# Allegro board BeagleBone AI -64_PCB_V1.02_211119.brd (continued)
## Routing (per net, layer and track width the routed paths; a pad name or vN(x,y) marks a point on that pad's centre or on a via; arc(x,y) is an arc through that point) (continued)
  TOP w0.165: v1(47.38,51.84) 47.1,52.12 U30.32
  TOP w0.229: U19.J26 -15.49,43.98 v1(-15.49,43.98)
  L3-SIGNAL w0.102: v1(-15.49,43.98) -15.09,43.58 -13.74,43.58 -13.49,43.33 -13.49,43.02 -13.24,42.78 -12.94,42.78 -12.69,43.03 -12.69,43.35 -12.46,43.58 -12.13,43.58 -11.9,43.35 -11.9,42.99 -11.69,42.78 -11.33,42.78 -11.1,42.55 -11.1,42.23 -11.09,42.22 -10.84,41.98 -8.46,41.98 -8.45,41.97 -7.66,41.97 -7.66,41.98 -0.13,41.98 0.11,42.22 0.11,44.95 0.33,45.18 0.66,45.18 0.9,45.42 0.9,49.9 1.71,50.7 1.71,51.43 1.88,51.6 1.95,51.6 1.95,51.59 2.27,51.59 2.28,51.6 2.35,51.6 2.53,51.77 2.53,51.82 2.52,51.82 2.52,52.15 2.75,52.38 3.08,52.38 3.32,52.61 3.32,53.75 3.56,53.99 3.87,53.99 4.1,54.22 4.1,54.54 4.35,54.78 5.47,54.78 5.69,54.99 9.16,54.99 9.56,55.39 9.56,55.93 9.81,56.19 10.17,56.19 10.52,56.54 v1(13.21,56.54)
  L5-SIGNAL w0.102: v1(13.21,56.54) 13.62,56.54 13.72,56.44 14.64,56.44 15.22,57.02 15.83,57.02 16.52,57.71 18.88,57.71 19.28,57.3 30.36,57.3 31.72,58.66 37.2,58.66 37.6,58.27 37.6,57.46 37.9,57.15 43.26,57.15 47.66,52.75 47.66,52.13 v1(47.38,51.84)
  BOTTOM w0.165: R63.2 13.92,58.33 13.14,57.54 13.14,57.04 13.21,56.97 v1(13.21,56.54)
MCU_I2C0_SDA: length 83.7
  TOP w0.165: U30.33 47,52.62 v1(47.02,52.6)
  TOP w0.229: v1(-14.69,43.18) -14.69,43.18 U19.H25
  L3-SIGNAL w0.102: v1(13.62,56.01) 12.58,56.01 11.31,54.74 6.22,54.74 5.47,53.99 4.36,53.99 4.12,53.75 4.12,52.64 3.86,52.38 3.54,52.38 3.3,52.15 3.3,51.82 3.07,51.59 2.75,51.59 2.51,51.36 2.51,50.74 1.71,49.94 1.71,45.41 1.51,45.21 1.49,45.21 1.47,45.19 1.14,45.19 0.91,44.96 0.91,41.42 0.67,41.18 -10.84,41.18 -11.09,41.42 -11.09,41.43 -11.09,41.43 -11.09,41.74 -11.33,41.99 -11.66,41.99 -11.69,42.02 -11.9,42.23 -11.9,42.55 -12.13,42.78 -12.46,42.78 -12.7,42.53 -12.7,42.22 -12.93,41.99 -13.26,41.99 -13.5,42.23 -13.5,42.55 -13.74,42.78 -14.29,42.78 v1(-14.69,43.18)
  L5-SIGNAL w0.102: v1(13.62,56.01) 14.64,56.01 15.42,56.8 16.01,56.8 16.69,57.48 18.78,57.48 19.18,57.08 30.45,57.08 31.81,58.43 37.1,58.43 37.34,58.19 37.34,57.38 37.8,56.92 43.11,56.92 47.02,53.01 v1(47.02,52.6)
  BOTTOM w0.165: v1(13.62,56.01) 13.65,56.03 13.65,57.24 13.92,57.51 R64.2
MCU_I2C1_I3C0_SCL: length 54.3
  TOP w0.165: R200.2 -27.95,41.48 R199.2 -28.16,41.27 -28.16,40.98 -28.26,40.88 -28.26,40.84 v1(-28.29,40.82) ; R245.2 v1(-22.71,39.21)
  L3-SIGNAL w0.102: v1(-22.71,39.21) -23.16,38.76 -26.16,38.76 -26.64,39.24 -26.64,39.93 -27.07,40.36 -27.83,40.36 v1(-28.29,40.82)
  L5-SIGNAL w0.102: v1(-42.11,12.8) -42.11,14.17 -38.68,17.6 -38.68,29.1 -39.14,29.56 -39.14,34.54 -41.78,37.18 -41.78,39.04 -40.43,40.39 -38.45,40.39 -37.15,41.68 -31.67,41.68 -31.13,41.15 -30.35,41.15 -30.19,41.3 -29.28,41.3 -28.8,40.82 v1(-28.29,40.82)
  BOTTOM w0.165: v1(-42.11,12.8) -42.1,12.81 J10.7
MCU_I2C1_I3C0_SDA: length 47.9
  TOP w0.165: v1(-27.04,38.58) -26.84,38.58 -26.8,38.55 R211.2 R210.2 -26.64,39.24 -26.64,39.44 -26.42,39.66 -26.4,39.66 -26.13,39.94 R209.2 ; R194.2 -28.96,43.52 -29.22,43.27 -29.24,43.27 -29.24,43.23 -29.23,43.23 v1(-29.23,43.23)
  L3-SIGNAL w0.102: v1(-29.23,43.23) -29.23,42.83 -28.89,42.48 -28.89,42 -29,41.89 -29,40.57 -27.68,39.24 -27.3,39.24 -27.04,38.99 v1(-27.04,38.58)
  L5-SIGNAL w0.102: v1(-39.19,13.44) -39.59,13.44 -39.95,13.79 -39.95,15.6 -38.22,17.32 -38.22,29.29 -38.68,29.74 -38.68,36.17 -37.87,36.98 -33.34,36.98 -31.9,38.43 -27.2,38.43 v1(-27.04,38.58)
  BOTTOM w0.165: v1(-39.19,13.44) -39.19,13.94 -39.33,14.08 J10.5
MCU_MDIO0_MDC: length 28.9
  TOP w0.165: U15.16 v1(-32.22,27.87)
  TOP w0.229: v1(-13.09,41.58) -12.69,41.98 U19.F23
  L3-SIGNAL w0.102: v1(-15.76,36.23) -15.76,36.64 -15.93,36.81 -15.93,39.25 -15.56,39.62 -15.34,39.62 -15.13,39.83 -15.13,40.05 -14.84,40.34 -14.62,40.34 -14.33,40.63 -14.33,40.85 -14.04,41.14 -13.53,41.14 v1(-13.09,41.58)
  L5-SIGNAL w0.102: v1(-15.76,36.23) -21.47,36.23 -22.17,35.54 -22.17,34.46 -27.42,29.21 -30.88,29.21 v1(-32.22,27.87)
MCU_MDIO0_MDIO: length 32.8
  TOP w0.165: v1(-30.7,26.52) -31.72,27.54 U15.17 ; U19.E23 -12.69,41.18 v1(-13.09,40.78)
  L5-SIGNAL w0.102: v1(-16.76,35.51) -17.13,35.89 -21.34,35.89 -21.91,35.31 -21.91,34.39 -27.32,28.98 -30.42,28.98 -31.16,28.25 -31.16,26.98 v1(-30.7,26.52)
  BOTTOM w0.114: v1(-13.09,40.78) -12.71,40.4 -12.71,37.34
  BOTTOM w0.165: -16.76,34.77 v1(-16.76,35.51) ; -16.76,34.77 R102.1 -16.74,34.73 ; -16.76,34.77 -14.95,34.77 -12.71,37.01 -12.71,37.34
MCU_PORZ_OUT: length 5.4
  TOP w0.165: U19.B28 -17.09,38.38 -17.09,38.38 -17.51,37.97 -18.07,37.97 -18.41,38.31 -18.41,39.12 -18.67,39.38 -20.45,39.38 R261.1
MCU_RESETSTATZ: length 4.1
  TOP w0.229: U19.C27 -15.89,39.58 v1(-16.29,39.18)
  BOTTOM w0.137: v1(-16.29,39.18) -16.29,38.79 -17.16,37.92 -17.32,37.92
  BOTTOM w0.165: -17.32,37.92 -18.43,37.92 v1(-18.89,38.38)
MCU_RESETZ: length 4.5
  TOP w0.229: v1(-17.09,39.98) -17.09,39.98 U19.D28
  BOTTOM w0.114: v1(-17.09,39.98) -17.48,40.37 -17.48,40.91 -17.51,40.93 -17.51,40.94 -18.43,41.87 R111.2
  BOTTOM w0.165: TP4.1 -19.01,42.73 R111.2
MCU_RGMII_INT#: length 19
  TOP w0.165: R181.2 -31.86,36.77 v1(-31.85,36.76) -31.72,36.63 U15.44
  TOP w0.229: U19.D29 -17.49,40.38 v1(-17.89,39.98)
  L3-SIGNAL w0.102: v1(-17.89,39.98) -19.82,38.06 -19.82,36.95 -20.63,36.13 -25.58,36.13 v1(-26.23,36.78)
  BOTTOM w0.165: v1(-26.23,36.78) -26.21,36.78 -26.21,36.81 -26.36,36.81 -26.42,36.87 -30.9,36.87 -31.02,36.76 v1(-31.85,36.76)
MCU_RGMII_RD0: length 18.9
  TOP w0.114: U19.B24 -13.88,38.39 -13.88,37.58
  TOP w0.165: R215.1 v1(-25.12,33.29) ; -13.88,37.58 -13.88,36.39 -15.84,34.42 -18.61,34.42 -19.68,33.35 -19.68,31.98 v1(-20.24,31.42)
  BOTTOM w0.165: v1(-20.24,31.42) -19.78,31.88 -19.78,32.49 -20.14,32.84 -24.67,32.84 v1(-25.12,33.29)
MCU_RGMII_RD1: length 15.8
  TOP w0.165: U19.A24 -13.51,37.96 -13.51,36.17 -16.4,33.28 v1(-16.4,32.79) ; R214.1 v1(-25.13,33.97)
  BOTTOM w0.165: v1(-25.13,33.97) -24.33,33.17 -19.42,33.17 -19.04,32.79 v1(-16.4,32.79)
MCU_RGMII_RD2: length 14.7
  TOP w0.165: R213.1 -25.22,34.75 v1(-25.22,34.75)
  TOP w0.229: U19.D24 -13.89,39.98 v1(-13.89,39.98)
  BOTTOM w0.114: v1(-13.89,39.98) -14.29,39.58 -14.29,38.69 -14.52,38.46
  BOTTOM w0.165: v1(-25.22,34.75) -24.79,34.75 -24.72,34.82 -22.5,34.82 -19.78,37.54 -15.44,37.54 -14.52,38.46
MCU_RGMII_RD3: length 19
  TOP w0.165: v1(-20.26,32.18) -20.26,32.25 -20.09,32.43 -20.09,33.49 -20.03,33.55 -20.03,34.24 -19.52,34.75 -16.07,34.75 -14.29,36.53 U19.A25 ; v1(-25.06,35.51) -25.31,35.51 R212.1
  BOTTOM w0.165: v1(-20.26,32.18) -20.56,32.48 -24.98,32.48 -25.67,33.17 -25.67,34.9 v1(-25.06,35.51)
MCU_RGMII_RST#: length 24.3
  TOP w0.165: U15.43 -31.22,36.67 -31.11,36.79 R182.2 -30.74,37.13 -30.35,37.53 v1(-30.35,38)
  TOP w0.229: v1(-15.49,43.18) -15.09,43.58 U19.H26
  L5-SIGNAL w0.102: v1(-30.82,41.79) -29.15,41.79 -28.54,42.39 -25.95,42.39 -25.69,42.13 -23.19,42.13 -22.6,42.72 -19.91,42.72 -19.09,43.54 -15.85,43.54 v1(-15.49,43.18)
  BOTTOM w0.165: v1(-30.82,41.79) -30.82,41.37 -30.96,41.23 -30.96,38.61 v1(-30.35,38)
MCU_RGMII_RX_CTL: length 14.1
  TOP w0.165: R205.1 v1(-26.87,37.89)
  TOP w0.229: U19.C25 -14.69,39.18 v1(-14.69,39.18)
  L5-SIGNAL w0.102: v1(-14.69,39.18) -15.05,38.82 -17.24,38.82 -17.29,38.86 -20.44,38.86 -22.04,37.26 -25.84,37.26 -26.47,37.89 v1(-26.87,37.89)
MCU_RGMII_RXC: length 15.9
  TOP w0.165: v1(-24.2,34.14) -24.51,33.83 -24.51,33.2 -25.12,32.59 R216.1
  TOP w0.229: U19.C24 -13.89,39.18 v1(-13.89,39.18)
  BOTTOM w0.165: v1(-13.89,39.18) -13.89,38.17 -15.21,36.86 -17.24,36.86 -17.98,36.12 -20.64,36.12 -22.93,33.84 -23.9,33.84 v1(-24.2,34.14)
MCU_RGMII_TD0: length 10.3
  TOP w0.114: U19.B25 -14.7,38.37 -14.7,37.66
  TOP w0.165: -14.7,37.66 -14.7,36.69 -16.31,35.08 -20.06,35.08 -20.49,34.65 R275.1
MCU_RGMII_TD1: length 9.5
  TOP w0.165: U19.A26 -15.09,37.54 -16.66,35.97 -20.46,35.97 -20.89,35.54 -20.89,33.52 -21.17,33.24 R249.1
MCU_RGMII_TD2: length 10.6
  TOP w0.165: U19.A27 -15.89,37.58 -16.29,37.17 -19.19,37.17 -19.31,37.29 -21.3,37.29 -22.23,36.36 -22.23,33.63 -22.62,33.24 R237.1
MCU_RGMII_TD3: length 11.4
  TOP w0.165: R225.1 -24.03,33.24 -22.93,34.35 -22.93,36.63 -21,38.56 -19.65,38.56 -18.79,37.7 -16.97,37.7 U19.A28
MCU_RGMII_TX_CTL: length 12.1
  TOP w0.114: -16.55,37.57 -16.3,37.83 -16.3,38.37 -16.29,38.38
  TOP w0.165: -16.55,37.57 -16.69,37.44 -18.99,37.44 -19.73,38.17 -20.9,38.17 -22.6,36.48 -22.6,33.96 -23.32,33.24 R230.1
  TOP w0.229: U19.B27 -16.29,38.38
MCU_RGMII_TXC: length 10.6
  TOP w0.114: U19.B26 -15.49,38.38 -15.49,37.77
  TOP w0.165: -15.49,37.77 -15.49,37.6 -16.18,36.9 -16.19,36.9 -16.79,36.3 -20.69,36.3 -21.9,35.09 R248.1
MCU_SAFETY_ERRZ: length 82.3
  TOP w0.165: U30.18 v1(40.63,49.02)
  TOP w0.229: v1(-16.29,39.98) -15.89,40.38 U19.D27
  L3-SIGNAL w0.102: v1(37.24,37.59) 37.24,39.3 37.45,39.5 37.45,39.52 39.07,41.15 39.07,42.32 40.32,43.56 40.32,48.71 v1(40.63,49.02) ; v1(-16.38,32.01) -16.81,32.01 -16.83,31.98 -17.14,31.98 -17.37,32.21 -17.37,32.51 -17.35,32.53 -17.35,35.75 -16.66,36.45 -16.66,39.33 -16.29,39.69 v1(-16.29,39.98)
  L5-SIGNAL w0.102: v1(-16.38,32.01) -15.44,32.01 -13.76,30.33 -10.43,30.33 -9.8,30.96 -7.61,30.96 -6.83,30.18 -5.2,30.18 -4.2,31.18 7.85,31.18 7.99,31.04 9.75,31.04 11.12,32.41 16.08,32.41 16.36,32.13 24.02,32.13 v1(24.8,32.92)
  L10-SIGNAL w0.102: v1(24.8,32.92) 25.26,32.46 29.95,32.46 34.58,37.09 36.73,37.09 v1(37.24,37.59)
MMC0_CALPAD_R: length 2.4
  TOP w0.165: U19.AE1 5.1,57.38 R301.1
MMC0_CLK: length 2.6
  TOP w0.165: U19.AF1 6.09,57.98 6.71,58.6 R305.1
MMC0_CMD: length 5.1
  TOP w0.165: v1(7.09,59.59) 7.22,59.46 R304.1
  TOP w0.229: v1(3.71,57.59) 3.71,57.58 U19.AE3
  L3-SIGNAL w0.102: v1(3.71,57.59) 4.11,57.99 5.01,57.99 6.61,59.59 v1(7.09,59.59)
MMC0_DAT0: length 32.3
  TOP w0.165: R325.1 28.78,68.77 29.52,68.02 29.52,65.84 27.87,64.19 v1(27.87,63.88)
  TOP w0.229: U19.AG2 4.51,59.18 v1(4.51,59.19)
  L3-SIGNAL w0.102: v1(4.51,59.19) 5.15,59.83 5.15,60.25 7.52,62.61 8.77,62.61 9.06,62.9 12.56,62.9 13.83,64.17 27.58,64.17 v1(27.87,63.88)
MMC0_DAT1: length 34.1
  TOP w0.165: v1(32.57,65.64) 33.28,65.64 33.51,65.86 R340.1
  TOP w0.229: v1(5.64,60.05) 5.38,60.05 U19.AH1
  L3-SIGNAL w0.102: v1(5.64,60.05) 5.64,60.35 7.04,61.75 8.59,61.75 8.87,62.03 9.36,62.03 9.98,62.64 12.81,62.64 14.08,63.91 20.37,63.91 20.98,63.3 29.11,63.3 29.66,63.84 31.57,63.84 32.07,63.34 32.49,63.34 32.9,63.75 32.9,64.82 32.57,65.15 v1(32.57,65.64)
MMC0_DAT2: length 33.8
  TOP w0.165: v1(32.52,63.91) 33.1,63.91 33.51,64.31 R342.1
  TOP w0.229: v1(3.71,59.19) 3.71,59.18 U19.AG3
  L3-SIGNAL w0.102: v1(32.52,63.91) 31.71,64.71 31.07,64.71 31.03,64.68 9.13,64.68 8.54,64.09 7.75,64.09 7.47,63.81 7.47,63.45 5.01,60.99 5.01,60.76 4.68,60.43 4.44,60.43 4.15,60.14 4.15,59.63 v1(3.71,59.19)
MMC0_DAT3: length 31.1
  TOP w0.165: v1(26.12,65.38) 26.12,66.5 26.31,66.68 R321.1
  TOP w0.229: U19.AF4 2.91,58.38 v1(2.91,58.39)
  L3-SIGNAL w0.102: v1(26.12,65.38) 25.71,65.38 25.26,64.93 7.63,64.93 7.19,64.49 7.19,63.58 6.25,62.64 5.27,62.64 4.87,62.24 4.87,62.09 5.12,61.85 5.12,61.7 4.97,61.56 4.83,61.56 4.58,61.81 4.44,61.81 4.07,61.44 4.07,60.63 3.79,60.35 3.56,60.35 3.31,60.1 3.31,58.78 v1(2.91,58.39)
MMC0_DAT4: length 36.8
  TOP w0.165: v1(25,65.38) 25,66.88 26.89,68.77 R323.1
  TOP w0.229: U19.AE5 2.11,57.58 v1(2.11,57.59)
  L3-SIGNAL w0.102: v1(2.11,57.59) 1.75,57.95 1.75,60.14 2.04,60.43 2.26,60.43 2.55,60.72 2.55,60.94 2.88,61.27 3.19,61.27 4.6,62.67 4.6,65.07 6.23,66.7 11.61,66.7 12.9,65.41 21.61,65.41 21.95,65.75 24.63,65.75 v1(25,65.38)
MMC0_DAT5: length 35.5
  TOP w0.165: v1(28.85,63.87) 29.16,64.17 29.16,64.43 30.77,66.04 30.77,67.97 29.97,68.77 R327.1
  TOP w0.229: U19.AF3 3.71,58.38 v1(3.71,58.39)
  L3-SIGNAL w0.102: v1(28.85,63.87) 28.29,64.42 10.05,64.42 9.76,64.14 9.76,63.4 9.53,63.17 8.95,63.17 8.76,62.98 7.46,62.98 5.39,60.91 5.39,60.81 4.95,60.37 4.95,59.91 4.66,59.63 4.44,59.63 4.15,59.33 4.15,58.82 v1(3.71,58.39)
MMC0_DAT6: length 34
  TOP w0.165: v1(33.36,64.85) 33.51,65 R341.1
  TOP w0.229: v1(5.31,59.19) 5.31,59.18 U19.AG1
  L3-SIGNAL w0.102: v1(5.31,59.19) 5.57,59.45 5.81,59.45 6.03,59.67 6.03,60.37 6.87,61.22 9.49,61.22 9.75,61.47 10.62,61.47 11.11,60.99 12.71,60.99 13.51,61.79 13.51,62.93 14.23,63.65 19.72,63.65 20.38,62.99 32.52,62.99 33.36,63.83 v1(33.36,64.85)
MMC0_DAT7: length 32.1
  TOP w0.165: v1(32.16,62.61) 32.68,62.61 33.51,63.44 R343.1
  TOP w0.229: U19.AF2 4.51,58.38 v1(4.51,58.39)
  L3-SIGNAL w0.102: v1(32.16,62.61) 32.09,62.61 32.02,62.68 14.85,62.68 12.88,60.71 9.21,60.71 8.89,60.39 6.81,60.39 6.78,60.43 6.52,60.43 6.29,60.2 6.29,59.63 5.05,58.39 v1(4.51,58.39)
MMC0_DS: length 29
  TOP w0.229: U19.AE4 2.91,57.58 v1(2.91,57.59)
  L3-SIGNAL w0.102: v1(2.91,57.59) 2.55,57.95 2.55,60.14 2.84,60.43 3.06,60.43 3.35,60.72 3.35,61.08 5.21,62.94 5.99,62.94 6.86,63.82 6.86,64.64 7.41,65.19 21.71,65.19 21.88,65.36 v1(22.28,65.36)
  BOTTOM w0.165: R41.2 R40.1 22.59,63.91 22.28,64.21 v1(22.28,65.36)
MMC1_CLK: length 16
  TOP w0.229: U19.P25 -14.29,48.38 v1(-14.69,47.98)
  L12-SIGNAL w0.102: v1(-14.69,47.98) -15.09,47.59 -18.27,47.59 v1(-18.66,47.19)
  BOTTOM w0.165: v1(-18.66,47.19) -18.66,47.32 -18.97,47.63 -19.55,47.63 -19.7,47.78 -19.7,48.19 -19.55,48.34 -18.59,48.34 -18.41,48.52 -18.41,48.92 -18.61,49.13 -19.22,49.13 -19.46,49.36 -19.46,50.4 -19.6,50.55 -19.96,50.55 -20.11,50.4 -20.11,49.91 -20.49,49.53 -21.1,49.53 -21.28,49.35 -21.28,49.02 -21.1,48.85 -20.74,48.85 -20.57,48.68 R122.1
MMC1_CMD: length 39.5
  TOP w0.165: v1(-27.83,57.22) -27.86,57.22 -27.86,57.28 ; J12.3 -31.28,57.62 -30.94,57.96 -29.97,57.96 D27.2 -29.46,57.61 -29,57.15 -28.8,57.15 -28.04,57.15 -27.91,57.28 -27.86,57.28 ; -27.86,57.28 -27.86,57.38 -27.88,57.4 R203.2 -27.88,57.73
  TOP w0.229: U19.R29 -17.49,49.19 v1(-17.89,48.79)
  L12-SIGNAL w0.102: v1(-27.83,57.22) -28.4,57.22 -29.1,56.52 -29.1,55.7 -29.69,55.12 -31.52,55.12 -32.13,54.51 -32.13,54.36 -31.7,53.94 -31.7,53.79 -31.84,53.65 -31.99,53.65 -32.42,54.08 -32.56,54.08 -32.89,53.75 -32.89,52.77 -32.79,52.67 -32.48,52.67 -32.38,52.57 -32.38,52.36 -32.48,52.26 -32.79,52.26 -32.89,52.16 -32.89,51.96 -32.79,51.86 -32.48,51.86 -32.38,51.75 -32.38,51.55 -32.48,51.45 -32.79,51.45 -32.89,51.35 -32.89,51.14 -32.79,51.04 -32.48,51.04 -32.38,50.94 -32.38,50.74 -32.48,50.64 -32.79,50.64 -32.89,50.54 -32.89,50.33 -32.79,50.23 -32.48,50.23 -32.38,50.13 -32.38,49.93 -32.48,49.82 -32.79,49.82 -32.89,49.72 -32.89,49.38 -31.92,48.41 -28.8,48.41 -27.95,47.57 -27.95,46.79 -27.81,46.65 -24.39,46.65 -23.49,47.55 -22.29,47.55 -21.76,48.08 -18.76,48.08 -18.06,48.79 v1(-17.89,48.79)
MMC1_DAT0: length 32.3
  TOP w0.165: v1(-27.68,53.6) -27.6,53.67 R198.1
  TOP w0.229: U19.R24 -13.88,48.79 v1(-13.89,48.79)
  L12-SIGNAL w0.102: v1(-27.68,53.6) -27.68,52.45 -27.98,52.15 -31.77,52.15 -32.07,51.84 -32.07,51.63 -31.97,51.53 -31.59,51.53 -31.49,51.42 -31.49,51.22 -31.59,51.12 -31.97,51.12 -32.07,51.02 -32.07,50.29 -31.92,50.14 -31.78,50.14 -31.3,50.62 -31.15,50.62 -31.01,50.48 -31.01,50.33 -31.49,49.85 -31.49,49.71 -31.06,49.28 -28.84,49.28 -28.74,49.18 -28.74,48.82 -28.64,48.72 -28.44,48.72 -28.33,48.82 -28.33,49.18 -28.23,49.28 -27.55,49.28 -26.59,48.31 -24.25,48.31 -23.38,49.18 -20.49,49.18 -19.7,49.96 -19.28,49.96 -19.21,50.04 -14.59,50.04 -14.3,49.75 -14.3,49.33 -13.89,48.92 v1(-13.89,48.79)
MMC1_DAT1: length 33.9
  TOP w0.165: v1(-27.76,48.77) -28.24,48.29 -29,48.29 -29.36,48.64 -29.36,49.8 -28.87,50.28 R190.1
  TOP w0.229: U19.P24 -13.89,47.98 v1(-13.89,47.98)
  L12-SIGNAL w0.102: v1(-27.76,48.77) -27.76,48.38 -27.65,48.27 -27.65,47.09 -27.52,46.97 -27.2,46.97 -27.1,47.07 -27.1,47.91 -26.99,48.01 -26.78,48.01 -26.68,47.91 -26.68,47.05 -26.57,46.95 -26.37,46.95 -26.27,47.05 -26.27,47.91 -26.17,48.01 -25.97,48.01 -25.86,47.91 -25.86,47.05 -25.76,46.95 -25.56,46.95 -25.46,47.05 -25.46,47.91 -25.36,48.01 -25.15,48.01 -25.05,47.91 -25.05,47.05 -24.95,46.95 -24.75,46.95 -24.64,47.05 -24.64,47.91 -24.54,48.01 -24.1,48.01 -23.72,48.39 -23.48,48.39 -23.38,48.29 -23.38,47.96 -23.28,47.86 -23.07,47.86 -22.97,47.96 -22.97,48.29 -22.87,48.39 -21.36,48.39 -21.26,48.49 -21.26,48.78 -21.16,48.88 -20.95,48.88 -20.85,48.78 -20.85,48.49 -20.75,48.39 -20.44,48.39 -20.26,48.57 -20.26,48.95 -20.02,49.19 -19.44,49.19 -19.34,49.08 -19.34,48.41 -19.24,48.31 -19.04,48.31 -18.93,48.41 -18.93,49.08 -18.83,49.19 -17.52,49.19 -17.42,49.08 -17.42,48.74 -17.32,48.64 -17.12,48.64 -17.01,48.74 -17.01,49.08 -16.91,49.19 -16.71,49.19 -16.61,49.08 -16.61,48.74 -16.51,48.64 -16.3,48.64 -16.2,48.74 -16.2,49.08 -16.1,49.19 -15.69,49.19 -15.59,49.29 -15.59,49.63 -15.49,49.73 -15.29,49.73 -15.18,49.63 -15.18,49.29 -15.08,49.19 -14.54,49.19 -14.3,48.95 -14.3,48.5 -13.89,48.1 v1(-13.89,47.98)
MMC1_DAT2: length 38.4
  TOP w0.165: R207.1 -26.16,59.61 v1(-25.98,59.44)
  TOP w0.229: v1(-14.69,48.79) -14.29,49.19 U19.R25
  L12-SIGNAL w0.102: v1(-25.98,59.44) -25.98,59.04 -26.6,58.42 -28.06,58.42 -29.53,56.95 -30.55,56.95 -33.52,53.98 -33.52,48.95 -31.03,46.46 -29.79,46.46 -29.36,46.03 -24.15,46.03 -23.26,46.92 -22.04,46.92 -21.91,46.79 -20.14,46.79 -20.14,46.79 -19.82,46.79 -19.82,46.79 -15.29,46.79 -14.3,47.77 -14.3,48.15 -14.69,48.54 v1(-14.69,48.79)
MMC1_DAT3: length 35.4
  TOP w0.165: v1(-25.83,58.14) -25.83,58.12 -25.9,58.12 -26.13,58.35 -26.13,58.74 R208.1
  TOP w0.229: U19.R26 -15.48,48.79 v1(-15.49,48.79)
  L12-SIGNAL w0.102: v1(-25.83,58.14) -26.36,57.61 -28.44,57.61 -29.84,56.21 -29.84,55.83 -30.25,55.42 -31.64,55.42 -33.19,53.87 -33.19,49.13 -31.31,47.25 -30.5,47.25 -30.09,46.84 -28.57,46.84 -28.06,46.33 -24.28,46.33 -23.39,47.22 -20.57,47.22 -20.16,47.63 -18.87,47.63 -18.11,48.38 -15.9,48.38 v1(-15.49,48.79)
MMC1_SDCD: length 37.1
  TOP w0.165: J12.10 -40.51,50.17 -40.07,49.74 D22.2 -40.74,47.4 -40.74,46.57 -40.44,46.28 R161.2 v1(-39.85,46.28)
  TOP w0.229: v1(-13.09,47.98) -12.69,48.38 U19.P23
  L12-SIGNAL w0.102: v1(-13.09,47.98) -13.5,48.39 -13.5,49.75 -14.02,50.27 -19.83,50.27 -20.61,49.49 -23.51,49.49 -23.62,49.38 -24.38,48.62 -24.97,48.62 -25.23,48.87 v1(-25.62,48.87)
  BOTTOM w0.165: v1(-39.85,46.28) -37.69,48.44 -28.52,48.44 -28.26,48.19 -27.53,48.19 -26.91,48.8 -26.12,48.8 -26.05,48.87 v1(-25.62,48.87)
MMC2_CLK: length 6.1
  TOP w0.114: U19.T26 -15.48,50.37 -18.89,50.37 -19.89,49.37 R274.1
MMC2_CLK_R: length 97.5
  TOP w0.165: v1(-20.72,49.96) -20.72,49.96 -20.72,49.99 -20.66,49.99 R274.2 ; R366.2 49.69,74.98 v1(49.23,75.44)
  L10-SIGNAL w0.102: v1(27.77,72.04) 27.77,70.64 26.04,68.91 22.31,68.91 21.85,69.37 15.53,69.37 13.19,71.71 13.19,71.73 13.06,71.86 -1.54,71.86 -3.37,70.03 -11.26,70.03 -13.05,68.24 -17.13,68.24 -17.94,67.43 -17.94,66.92 -19.07,65.79 -19.07,64.06 -20.12,63.01 -20.12,62.56 -20.03,62.47 -20.03,56.08 -20.01,56.06 -20.01,54.69 -20.39,54.31 -20.39,51.72 -20.81,51.3 -20.81,50.45 -20.72,50.36 v1(-20.72,49.96)
  L12-SIGNAL w0.102: v1(27.77,72.04) 31.86,72.04 33.03,73.2 41.48,73.2 42.12,73.84 48.03,73.84 48.6,74.42 48.6,74.81 v1(49.23,75.44)
  BOTTOM w0.165: 49.73,73.47 J4.9 49.73,74.94 v1(49.23,75.44)
MMC2_CMD: length 97
  TOP w0.165: v1(49.23,74.78) 49.23,73.5 R363.2
  TOP w0.229: U19.T25 -14.29,49.99 v1(-14.69,49.59)
  L3-SIGNAL w0.102: v1(45.75,74.68) 46.34,74.09 48.55,74.09 v1(49.23,74.78)
  L10-SIGNAL w0.102: v1(-14.69,49.59) -13.52,50.76 -13.52,54.19 -12.72,54.99 -12.72,55.32 -12.42,55.63 -12.14,55.63 -11.93,55.84 -11.93,56.11 -11.62,56.43 -11.34,56.43 -11.13,56.64 -11.13,56.91 -10.82,57.23 -10.47,57.23 -10.25,57.44 -10.25,57.74 -10.04,57.95 -9.82,57.95 -7.93,59.83 -7.93,60.86 -7.44,61.35 -7.24,61.35 -7.14,61.45 -7.14,62.56 -7.03,62.66 -6.83,62.66 -6.73,62.56 -6.73,61.45 -6.63,61.35 -6.42,61.35 -6.32,61.45 -6.32,62.56 -6.22,62.66 -6.02,62.66 -5.92,62.56 -5.92,61.45 -5.81,61.35 -5.37,61.35 -4.87,61.85 -4.87,62.47 -4.16,63.18 -4.16,63.42 0.72,68.3 11.64,68.3 13.01,66.93 15.6,66.93 15.98,66.55 26.36,66.55 30.5,70.69 30.76,70.69 30.87,70.59 30.87,70.23 30.97,70.13 31.17,70.13 31.27,70.23 31.27,70.59 31.37,70.69 31.58,70.69 31.68,70.59 31.68,70.23 31.78,70.13 31.98,70.13 32.09,70.23 32.09,70.59 32.19,70.69 32.39,70.69 32.49,70.59 32.49,70.23 32.59,70.13 32.8,70.13 32.9,70.23 32.9,70.59 33,70.69 33.2,70.69 33.3,70.59 33.3,70.23 33.41,70.13 33.61,70.13 33.71,70.23 33.71,70.59 33.81,70.69 34.02,70.69 34.12,70.59 34.12,70.23 34.22,70.13 34.42,70.13 34.52,70.23 34.52,70.59 34.63,70.69 34.83,70.69 34.93,70.59 34.93,70.23 35.03,70.13 35.23,70.13 35.34,70.23 35.34,70.59 35.44,70.69 36.19,70.69 37.95,68.94 38.7,68.94 38.93,68.71 39.43,68.71 39.66,68.94 39.66,71.48 41.03,72.85 44.32,72.85 45.75,74.28 v1(45.75,74.68)
  BOTTOM w0.165: 49.23,73.47 J4.11 v1(49.23,74.78)
MMC2_DAT0: length 97
  TOP w0.165: R360.2 48.26,73.24 48.66,73.65 48.66,75 v1(48.24,75.41)
  TOP w0.229: v1(-13.89,49.59) -13.49,49.99 U19.T24
  L10-SIGNAL w0.102: v1(-13.89,49.59) -13.4,50.08 -12.84,50.08 -11.89,51.03 -11.89,52.14 -11.65,52.38 -11.27,52.38 -11.09,52.57 -11.09,53.75 -10.86,53.98 -10.48,53.98 -10.29,54.18 -10.29,54.55 -10.04,54.79 -9.72,54.79 -9.49,55.02 -9.49,55.13 -9.49,55.14 -9.49,55.35 -9.24,55.59 -8.93,55.59 -8.7,55.82 -8.7,56.14 -8.46,56.38 -8.11,56.38 -7.89,56.61 -7.89,56.99 -7.68,57.19 -7.33,57.19 -7.1,57.42 -7.1,57.74 -6.86,57.98 -6.51,57.98 -6.29,58.2 -6.29,58.55 -6.06,58.78 -5.74,58.78 -2.82,61.7 0.12,61.7 0.52,62.1 0.52,63.12 0.62,63.22 0.83,63.22 0.93,63.12 0.93,62.1 1.03,62 1.38,62 2.1,62.73 2.1,64.49 2,64.59 1.68,64.59 1.58,64.69 1.58,64.9 1.68,65 2,65 2.1,65.1 2.1,66.49 2.98,67.36 11.21,67.36 12.68,65.89 12.68,65.61 12.91,65.38 14.92,65.38 15.35,64.95 28.56,64.95 29.37,65.76 29.37,66.98 29.67,67.29 31.25,67.29 32.14,66.4 47.61,66.4 48.32,67.11 48.32,68.71 49.13,69.52 49.13,69.93 48.94,70.12 48.39,70.12 48.34,70.07 47.33,70.07 47.11,70.28 47.11,70.59 47.22,70.7 47.22,71.27 47.69,71.74 47.69,74.87 v1(48.24,75.41)
  BOTTOM w0.165: 48.73,73.47 J4.13 48.73,74.92 v1(48.24,75.41)
MMC2_DAT1: length 96.1
  TOP w0.165: R358.2 47.48,74.02 v1(48.23,74.77)
  TOP w0.229: v1(-16.29,49.59) -15.89,49.99 U19.T27
  L10-SIGNAL w0.102: v1(-16.29,49.59) -16.05,49.59 -15.64,49.18 -15.33,49.18 -15.1,48.95 -15.1,48.64 -14.86,48.39 -12.13,48.39 -11.9,48.62 -11.9,49.97 -11.09,50.77 -11.09,52.14 -11.09,52.15 -10.84,52.39 -10.53,52.39 -10.3,52.62 -10.3,53.73 -10.04,53.99 -9.73,53.99 -9.5,54.22 -9.5,54.57 -9.28,54.79 -8.93,54.79 -8.7,55.02 -8.7,55.34 -8.46,55.58 -8.1,55.58 -7.89,55.8 -7.89,56.15 -7.66,56.38 -7.32,56.38 -7.1,56.6 -7.1,56.94 -6.86,57.18 -6.52,57.18 -6.29,57.41 -6.29,57.75 -6.05,57.99 -5.73,57.99 -4.65,59.07 -4.65,59.34 -2.54,61.44 0.82,61.44 0.95,61.57 1.33,61.57 2.33,62.57 2.33,66.33 3.11,67.11 11.14,67.11 12.43,65.82 12.43,65.53 12.81,65.15 14.71,65.15 15.14,64.72 28.76,64.72 30.68,66.64 31.5,66.64 31.97,66.17 33.17,66.17 33.27,66.07 33.27,65.79 33.37,65.69 33.58,65.69 33.68,65.79 33.68,66.07 33.78,66.17 33.98,66.17 34.08,66.07 34.08,65.79 34.19,65.69 34.39,65.69 34.49,65.79 34.49,66.07 34.59,66.17 47.78,66.17 48.55,66.93 48.55,68.48 49.41,69.34 49.41,70.11 49.1,70.41 48.11,70.41 47.81,70.72 47.81,71.17 48.23,71.6 v1(48.23,74.77)
  BOTTOM w0.165: v1(48.23,74.77) J4.15 48.23,73.47
MMC2_DAT2: length 98.1
  TOP w0.165: R367.2 49.83,71.12 v1(49.87,71.12)
  TOP w0.229: U19.T29 -17.49,49.99 v1(-17.89,49.59)
  L10-SIGNAL w0.102: v1(49.87,71.12) 49.87,70.73 49.92,70.68 49.92,67.57 47.95,65.61 41.63,65.61 41.12,65.1 40.82,65.1 39.94,64.21 37.83,64.21 37.24,63.63 33.66,63.63 31.63,65.66 30.66,65.66 29.97,64.97 29.97,64.45 28.8,63.27 21.47,63.27 20.5,64.24 14.97,64.24 14.52,64.7 11.51,64.7 11.21,65 11.21,66.35 10.9,66.65 6.05,66.65 4.63,65.23 4.63,64.23 1.55,61.15 1.16,61.15 0.92,60.91 0.92,60.61 0.74,60.43 -2.06,60.43 -2.33,60.16 -2.33,59.84 -2.54,59.63 -2.86,59.63 -3.89,58.6 -3.89,58.23 -4.14,57.98 -4.45,57.98 -4.68,57.75 -4.68,57.44 -5.73,56.39 -6.04,56.39 -6.29,56.14 -6.29,55.82 -6.53,55.59 -6.54,55.59 -6.55,55.58 -6.88,55.58 -7.09,55.38 -7.09,55.04 -7.34,54.78 -7.66,54.78 -7.9,54.54 -7.9,54.22 -8.14,53.98 -8.46,53.98 -8.69,53.75 -8.69,47.03 -8.93,46.79 -14.86,46.79 -15.09,47.02 -15.09,47.34 -15.33,47.58 -15.65,47.58 -15.9,47.83 -15.9,48.15 -16.13,48.38 -17.24,48.38 -17.49,48.62 -17.49,49.18 v1(-17.89,49.59)
  BOTTOM w0.165: v1(49.87,71.12) 49.57,71.42 49.57,71.7 49.05,72.21 48.1,72.21 47.73,72.58 J4.17
MMC2_DAT3: length 93.9
  TOP w0.165: R364.2 48.98,71.22 v1(48.9,71.15)
  TOP w0.229: U19.T28 -16.69,49.99 v1(-17.09,49.59)
  L10-SIGNAL w0.102: v1(-17.09,49.59) -16.69,49.18 -16.13,49.18 -15.9,48.95 -15.9,48.64 -15.66,48.39 -15.35,48.39 -15.1,48.15 -15.1,47.81 -14.88,47.59 -11.33,47.59 -11.1,47.82 -11.1,49.95 -10.29,50.76 -10.29,52.15 -10.04,52.39 -9.73,52.39 -9.48,52.64 -9.48,53.75 -9.24,53.99 -8.92,53.99 -8.69,54.22 -8.69,54.5 -8.69,54.5 -8.69,54.55 -8.46,54.78 -8.14,54.78 -7.9,55.02 -7.9,55.34 -7.64,55.59 -7.32,55.59 -7.08,55.83 -7.08,56.15 -6.85,56.38 -6.53,56.38 -6.28,56.62 -6.28,56.95 -6.05,57.18 -5.74,57.18 -3.05,59.87 -3.05,60.14 -2.84,60.35 -2.57,60.35 -2.25,60.67 -2.25,60.94 -1.97,61.22 0.9,61.22 1.05,61.37 1.45,61.37 2.58,62.5 2.58,63.4 3.17,63.98 3.17,64.57 4.04,65.45 4.04,66.32 4.6,66.88 11.04,66.88 11.49,66.44 11.49,65.43 12,64.92 14.61,64.92 15.04,64.49 28.89,64.49 30.28,65.89 31.73,65.89 33.76,63.86 34.6,63.86 36.07,65.33 41.03,65.33 41.54,65.84 47.86,65.84 49.69,67.67 49.69,70.36 v1(48.9,71.15)
  BOTTOM w0.165: v1(48.9,71.15) 48.9,71.57 48.62,71.86 47.99,71.86 47.23,72.61 J4.19
